# Altium PCB XTRXr5.PcbDoc (part 2 of 5) (continued)
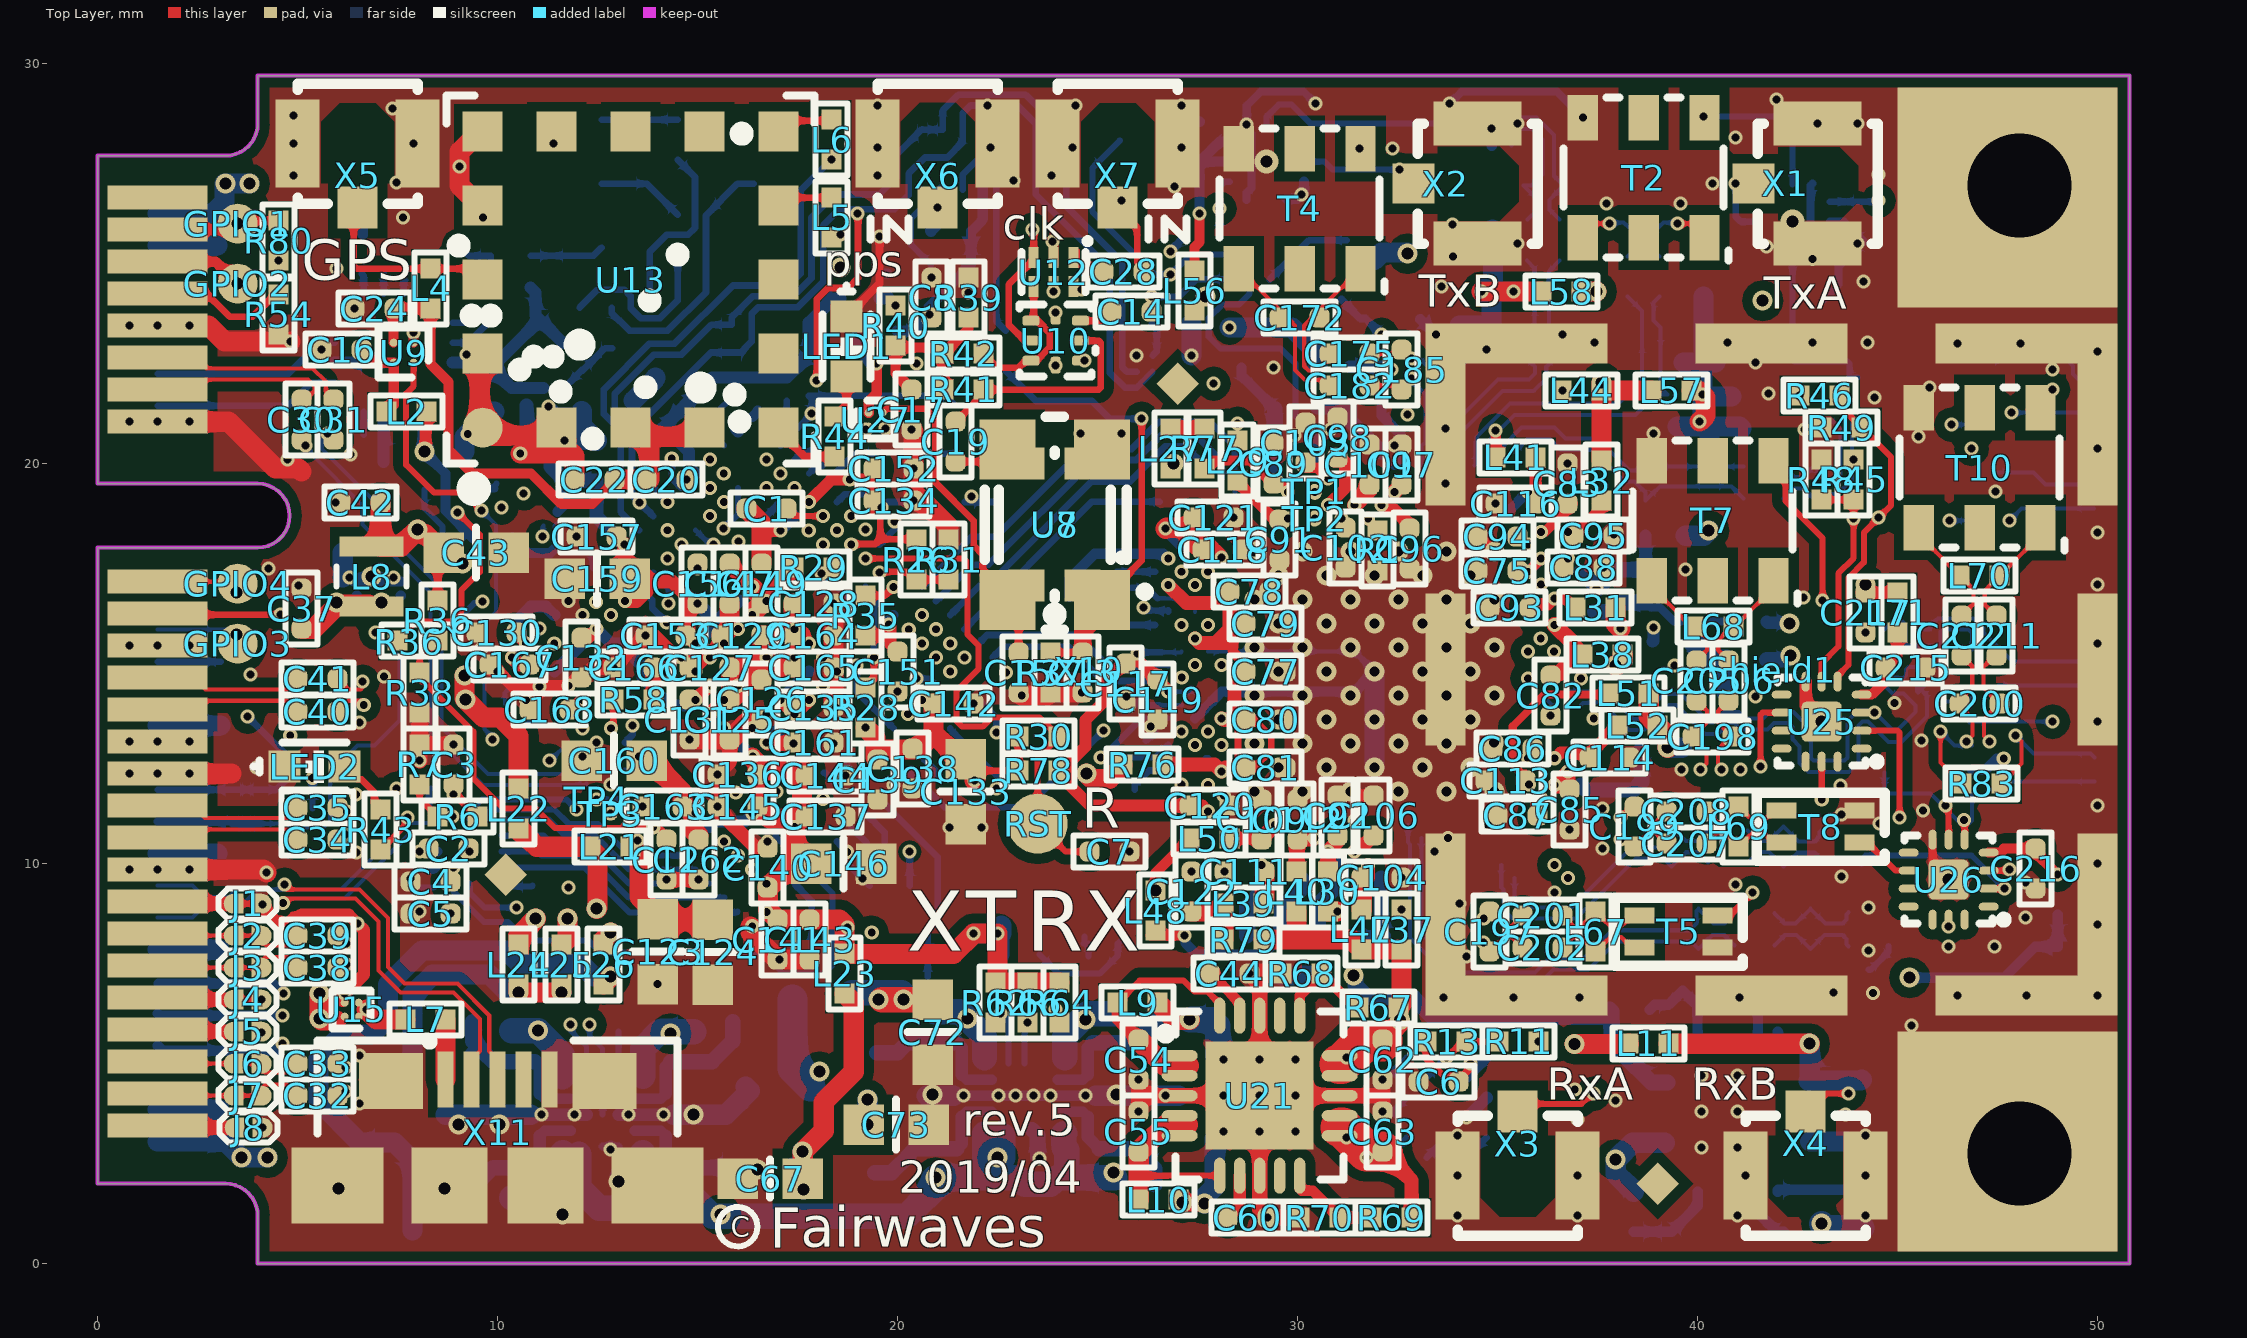
[diagram p0: Top Layer view]
## Nets (pads, with @x,y where several pads share a name; then routed paths per layer and width w, separated by ;. In a path a pad name is that pad's centre, name@x,y a point inside that pad or via, vN(x,y) a via of type N, cw(c..) or ccw(c..) an arc to the next point about the centre after c; other vN are vias at no path point)
1PPS_IN: R80.1 X6.1 | length 19.3
  Layer 3 w0.102: v3(4.525,25.075) 4.525,25.089 8.225,28.789 19.075,28.789 21,26.864 v3(21,26.4)
1PPSI_GPIO1(1N): GPIO1.1 R80.2 U1.M3 X10.3 | length 18.3
  Top Layer w0.17: v4(3.5,26) 3.575,26.075 R80.2@4.525,26.075
  Top Layer w0.25: X10.3@1.5,25.85 3.35,25.85 v4(3.5,26)
  Layer 3 w0.102: v1(10.65,19.254) 12.771,19.254 14.043,17.982 v1(14.596,17.982)
  Layer 6 w0.102: v4(3.5,26) 6.575,22.925 7.175,22.925 7.55,22.55 7.55,22.161 8.136,21.575 9.254,21.575 10.2,20.629 10.2,19.704 v1(10.65,19.254)
1PPSO_GPIO2(1P): GPIO2.1 U1.L3 X10.5 | length 17.5
  Top Layer w0.25: X10.5@1.5,25.05 2.95,25.05 v4(3.5,24.5)
  Layer 3 w0.102: v1(10.1,18.901) 10.125,18.925 10.786,18.925 10.852,18.991 12.625,18.991 13.94,17.676 14.195,17.676 v1(14.243,17.628)
  Layer 6 w0.102: v4(3.5,24.5) 3.959,24.959 4.116,24.959 6.425,22.65 7.05,22.65 7.275,22.425 7.275,22.025 7.975,21.325 9.135,21.325 9.945,20.515 9.945,19.533 10.1,19.377 v1(10.1,18.901) v1@10.1,18.782
+1.0V: C66.1 L13.2 L21.1 L22.1 U19.C4 | length 18.5
  Top Layer w0.508: L22.1@10.525,10.875 10.975,10.425 12.275,10.425 12.494,10.206 12.494,8.894 v4(12.475,8.875)
  Layer 3 w0.508: v4(12.475,8.875) 12.481,8.881 13.969,8.881 v4(18.05,4.8)
  Layer 6 w0.203: v8(13.025,4.125) 13.7,4.8 v4(18.05,4.8)
  Bottom Layer w0.75: L13.2@17.375,6.6 L13.2@17.375,6.05 L13.2@17.375,6.05 17.373,4.878 C66.1@17.826,4.425
+1.0V_MGTAVCC: C130.2 C131.1 C132.1 L22.2 U1.C1 U1.E1 U1.F3 U1.G9 U1.H9 | length 15.7
  Top Layer w0.3: C130.2@10.5,15.775 10.5,15.716 v1(10.707,15.509) ; C132.1@12.1,15.7 12.312,15.7 v1(12.475,15.863) ; C131.1@14.8,14.1 14.955,14.1 v1(15.303,14.448)
  Top Layer w0.5: v4(9.175,14.701) 9.175,14.125 v4(9.2,14.1) 9.651,13.649 10.074,13.649 10.525,13.197 L22.2@10.525,11.875
  Layer 4 w0.3: v4@9.225,14.1 9.225,14.75 10.058,15.583 10.633,15.583 v1(10.707,15.509) 11.141,15.075 11.687,15.075 v1(12.475,15.863)
  Bottom Layer w0.3: U1.C1@10.707,15.507 10.475,15.739 10.475,16.075 10.825,16.425 11.203,16.425 U1.E1@11.414,16.214 ; v1(12.475,15.863) 12.838,15.5 13.05,15.5 13.625,14.925 13.625,14.65 14.325,13.95 14.805,13.95 v1(14.95,14.095) v1(15.303,14.448)
+1.0V_VCCINT: C123.2 C124.2 C125.1 C126.1 C127.1 C128.1 C129.1 C164.1 C165.1 L21.2 U1.G10 U1.H10 U1.J10 U1.L10 U1.M10 U1.M11 U1.N10 U1.N11 | length 12.8
  Top Layer w0.3: C164.1@17.587,15.7 v1(17.778,15.509)
  Top Layer w0.35: v1(15.303,13.741) v1(15.657,14.095) 15.662,14.1 C125.1@15.8,14.1
  Top Layer w0.5: L21.2@13.55,10.275 13.55,9.163 C123.2@14,8.713 ; C123.2@14,8.613 14.012,8.601 C124.2@15.375,8.601 ; C125.1@15.8,14.1 C125.1@15.831,14.131 ; C128.1@17.4,16.5 C164.1@17.4,15.7 ; C164.1@17.587,15.7 C164.1@17.4,15.7 ; C125.1@15.831,14.131 16.3,14.6 C126.1@16.6,14.6 16.6,14.9 ; C125.1@15.831,14.131 15.831,14.869 C127.1@15.8,14.9 16.464,14.9 ; 16.464,14.9 16.6,14.9 ; 16.464,14.9 v1@16.6,15.036 ; 16.6,14.9 C165.1@17.4,14.9 v1@17.4,15.154 ; 16.6,14.9 v1@16.6,15.036 ; v1@16.6,15.036 16.932,15.368 ; v1@16.6,15.036 C129.1@16.6,15.7 ; C129.1@16.6,15.7 C164.1@17.4,15.7 ; C129.1@16.6,15.7 16.932,15.368 ; 16.932,15.368 17.146,15.154 v1@17.4,15.154 ; v1@17.4,15.154 C164.1@17.4,15.7
  other v1: 13.5,10.575 16.01,14.448 17.425,15.154 16.718,15.156 17.071,15.509 17.425,15.861
+1.2V: C68.1 L15.2 L24.1 L25.1 U19.E4 | length 13.1
  Top Layer w0.5: L24.1@10.525,6.975 v4(10.525,6.775) v4(11.6,6.775)
  Layer 6 w0.152: v2(7.424,4.425) 7.824,4.825 11.525,4.825 v8(12.225,4.125)
  Bottom Layer w0.5: v2(7.424,4.425) 7.875,4.876 L15.2@7.875,6.05 7.875,6.725 8.375,7.225 9.8,7.225 10.25,6.775 v4(10.525,6.775) v4(11.6,6.775)
+1.2V_MGTAVTT: C166.1 C167.1 C168.1 L24.2 R58.2 U1.B1 U1.C5 U1.E2 U1.G7 | length 16.7
  Top Layer w0.35: v1(10.354,15.156) 10.534,14.975 C167.1@10.8,14.975 ; C168.1@11.825,13.8 12.121,14.096 v1(12.121,14.095) ; R58.2@13.9,14.1 C166.1@13.9,14.9 14.101,14.9 v1(14.226,14.776)
  Top Layer w0.508: L24.2@10.525,7.975 10.525,8.198 v4(10.95,8.625)
  Layer 4 w0.35: v1(10.354,15.156) 10.453,15.057 10.453,14.478 10.255,14.28 10.255,13.64 10.637,13.258 ; v4(10.95,8.625) 10.95,9.125 10.637,9.438 10.637,13.258 ; v1(12.121,14.095) 11.284,13.258 10.637,13.258
  Layer 6 w0.35: v2(11.768,15.861) 12.4,15.228 12.4,14.376 12.121,14.097 v1(12.121,14.095) ; 12.45,14.426 12.447,14.428 12.447,15.087 12.713,15.353 13.087,15.353 13.664,14.776 v1(14.226,14.776)
+1.2V_VDLMS: L25.2 L28.1 L29.1 L30.1 L31.1 L45.2 R76.1 | length 56.5
  Top Layer w0.5: L25.2@11.6,7.975 11.75,8.125 v4(11.75,8.625) ; v4(24.725,12.25) 24.852,12.123 25.295,12.123 25.625,12.453 R76.1@25.625,12.475 ; L30.1@30.76,8.8 L30.1@30.994,8.8 ; L31.1@37.95,16.4 37.95,16 v1(38.075,15.875)
  Layer 4 w0.5: v4(11.75,8.625) 11.75,7.875 12.202,7.423 12.202,6.948 12.576,6.573 18.395,6.573 22.48,10.659 24.725,10.659 ; v1(28.3,23.4) 28.5,23.2 v1(28.5,21) 28.5,19.807 27.596,18.903 26.481,18.903 25.472,17.894 25.472,14.394 24.489,13.41 24.489,12.486 v4(24.725,12.25) 24.725,10.659 ; v1(38.075,15.875) 38.075,15.701 38.374,15.401 38.374,15.382 38.549,15.208 38.549,13.352 35.447,10.25 34.325,10.25 32.803,8.728 26.956,8.728 26.952,8.723 26.052,8.723 24.725,10.05 24.725,10.659
  Bottom Layer w0.5: v1(28.3,23.4) L28.1@28.6,23.4 29.861,23.4 30.5,22.761 L45.2@30.5,22.425
  other v1: 31,8.8
+1.2VDLMS: C77.2 C78.2 C79.2 C80.2 C81.2 R76.2 U2.AA29 U2.AE29 U2.L33 U2.R31 | length 20.6
  Top Layer w0.17: C81.2@28.51,12.59 28.51,13.41 C80.2@28.7,13.6 28.912,13.6 29.34,13.172 29.34,12.828 28.912,12.4 C81.2@28.7,12.4 C81.2@28.51,12.59
  Top Layer w0.254: C77.2@28.7,14.8 28.7,14.979 28.38,15.299 28.38,15.68 C79.2@28.7,16
  Top Layer w0.35: R76.2@26.625,12.475 27.923,12.475 v1(28.096,12.303) ; v1(26.764,16.965) 27.216,16.512 28.212,16.512 C78.2@28.3,16.6 ; v1(27.43,15.633) 27.549,15.513 27.95,15.513 ; v1(28.096,13.634) 28.13,13.6 C80.2@28.7,13.6 28.42,13.88 28.42,14.52 C77.2@28.7,14.8 ; v1@28.099,12.299 28.2,12.4 C81.2@28.7,12.4 ; C78.2@28.3,16.8 C78.2@28.3,16.6 ; 28.38,15.68 28.3,15.6 ; C79.2@28.7,16 28.3,16.4 ; 27.95,15.513 28.213,15.513 28.3,15.6 ; 27.95,15.513 28.3,15.863 ; 28.3,15.6 28.3,15.863 ; 28.3,15.863 28.3,16.4 ; 28.3,16.4 C78.2@28.3,16.6
  Layer 3 w0.17: v1(28.096,12.303) 28.51,12.717 28.51,13.22 v1(28.096,13.634)
  Layer 4 w0.17: v1(28.096,12.303) 28.51,12.717 28.51,13.22 v1(28.096,13.634)
  Layer 4 w0.35: v1(26.764,16.965) 27.278,16.45 27.95,16.45 28.25,16.15 28.25,15.787 27.976,15.513 27.549,15.513 v1(27.43,15.633)
+1.4V_VALMS: C64.2 L34.1 L46.2 L49.2 L51.2 L52.2 L53.2 L73.2 R71.2 U22.14 U22.15 | length 13.6
  Top Layer w0.508: L51.2@38.775,14.25 38.775,13.675 L52.2@39,13.45 39.25,13.2 v4(39.25,12.9)
  Bottom Layer w0.2: L73.2@31.1,24.1 31.25,23.95 31.25,23.94 31.566,23.623 31.702,23.623 v1(32.1,23.225)
  Bottom Layer w0.4: v4(31.4,7.2) 31.45,7.15 31.45,6.95 31.752,6.648 32.33,6.648 32.89,6.648 33.366,6.172 37.622,6.172 R71.2@37.8,6.35 37.85,6.3 37.85,5.525 C64.2@37.95,5.425 38.84,4.535 39.25,4.535
  Bottom Layer w0.508: v4(39.25,12.9) L53.2@39.6,12.9 ; L34.1@39.7,18.2 40.15,18.2 v4(40.275,18.325)
+1.5V: C73.2 L12.1 L20.2 U20.E2 | length 32.8
  Layer 4 w0.635: v4(19.249,4.099) v4(19.249,3.475) 27.75,3.475 28.575,2.65 30.15,2.65 30.545,3.045 30.545,3.47 31.075,4 31.725,4 33.025,2.7 36.473,2.7 37.223,3.45 38.35,3.45 40.005,1.795 42.305,1.795 v4(43.1,1)
  Layer 6 w0.203: v4(19.249,3.475) 22.45,3.475 v8(22.775,3.8)
  Bottom Layer w0.508: v4(19.249,3.475) v4(19.249,4.099)
  Bottom Layer w0.635: v4(43.1,1) 43.2,0.9 L12.1@44.1,0.9
+1.8/3.3V: C67.2 L14.2 L23.1 U19.C2 | length 12.3
  Top Layer w0.508: C67.2@17.625,2.125 v4(17.625,2.8) 18.15,3.325 18.15,4.044 18.9,4.794 18.9,6.525 L23.1@18.675,6.75
  Layer 6 w0.203: v8(13.025,3.325) 13.4,2.95 17.475,2.95 v4(17.625,2.8)
  Layer 6 w0.5: v4(17.625,2.8) 17.625,1.875 v4(17.65,1.85)
  Bottom Layer w0.5: L14.2@17.375,2.4 L14.2@17.625,2.15 ; v4(17.625,2.8) L14.2@17.625,2.15 ; v4(17.65,1.85) 17.65,2.125 L14.2@17.625,2.15
+1.8/3.3VCCIO: C5.1 C6.2 C21.2 C133.2 C134.1 C135.1 C136.1 C137.1 C138.1 C139.1 C140.1 C141.1 C142.1 C143.1 C144.1 C145.1 C146.1 C147.1 C148.1 C149.1 C150.1 C151.1 C152.1 L3.1 L23.2 R4.1 R12.2 R13.2 R14.2 R19.2 R26.1 R27.2 R28.1 R29.1 R30.1 R33.2 R35.1 R62.1 R64.1 R66.1 R75.1 R78.2 U1.B19 U1.C14 U1.C18 U1.F17 U1.G12 U1.G13 U1.K12 U1.K13 U1.L12 U1.L13 U1.M8 U1.M12 U1.M17 U1.N7 U1.N8 U1.R1 U1.R17 U1.U13 U1.V1 U1.V6 U1.V9 U3.B3 U4'.B4 U4.B4 U11.3 U28.A1 U28.B1 X9.4 | length 107.4
  Top Layer w0.17: v1(18.839,17.982) 18.848,17.991 19.441,17.991 19.562,18.112 ; C134.1@19.4,18.9 19.581,18.719 19.562,18.7 19.562,18.112 ; R26.1@20.475,18.1 20.463,18.112 19.562,18.112 ; C133.2@21.7,12.613 21.988,12.325 R78.2@23.025,12.325 R30.1@23.025,13.175 R30.1@23.025,13.225 ; R13.2@33.225,5.55 33.225,5.535 33.225,5.114 33.639,4.7 33.875,4.7 C6.2@34.025,4.55 34.025,4.599 34.29,4.864 34.29,4.965 v1(34.325,5)
  Top Layer w0.25: v1(16.718,8.792) C141.1@16.808,8.792
  Top Layer w0.254: R13.2@33.225,5.535 R13.2@33.25,5.51
  Top Layer w0.3: v1(16.375,11.25) C145.1@16.625,11.25 ; C145.1@16.5,11.425 C136.1@16.5,12.225 ; C145.1@16.575,11.3 C145.1@16.625,11.3 ; v1(17.778,19.043) 18.336,19.601 v1(18.801,19.601) 19.196,19.601 19.311,19.486 19.325,19.5 19.399,19.426 ; R35.1@19.2,15.7 19.825,15.7 ; v1(19.776,15.976) 19.825,15.926 19.825,15.7 ; C151.1@19.9,15.3 C151.1@20,15.3 19.825,15.475 19.825,15.7
  Top Layer w0.35: C147.1@15.8,17.5 15.8,17.462 v1@16.364,16.898 ; C149.1@16.6,16.5 16.6,16.6 R29.1@17.4,17.4 ; v1(17.071,14.095) 17.266,13.9 C135.1@17.4,13.9 17.583,13.9 v1(17.778,14.095) ; C134.1@19.4,18.9 C152.1@19.4,19.7
  Top Layer w0.5: v1@16.353,12.653 16.5,12.506 C136.1@16.5,12.225 16.603,12.328 17.7,12.328 C144.1@17.7,12.2 ; v1@16.364,16.898 16.6,16.662 C149.1@16.6,16.6 ; C149.1@16.402,16.302 C149.1@16.6,16.5 ; C145.1@16.625,11.3 16.8,11.125 17.425,11.125 ; C141.1@17,8.6 C143.1@17.8,8.6 18.55,8.6 18.675,8.475 L23.2@18.675,7.75 18.677,7.748 21.398,7.748 v1(21.9,8.25) v1(22.5,8.25) 22.5,7.025 R66.1@23.25,7.025 R64.1@24.05,7.025 ; C141.1@17,8.6 16.763,8.837 16.763,9.387 C140.1@16.75,9.4 17.35,10 C146.1@17.5,10 ; C144.1@17.7,12.175 17.604,12.079 17.604,11.271 C137.1@17.7,11.175 17.65,11.125 17.425,11.125 ; C146.1@17.837,10 C146.1@17.5,10 ; v1(19.2,13.4) 19.449,13.151 19.449,12.651 19.649,12.85 20.5,12.85 20.9,13.25 C142.1@20.9,14 ; 20.95,13.2 21.619,12.532 C133.2@21.719,12.432 ; v1(21.925,12.075) 21.95,12.1 C133.2@21.95,12.125 ; 17.425,11.125 v1(17.425,10.913) 17.425,10.075 C146.1@17.5,10
  Layer 4 w0.4: v1(18.839,17.982) 18.715,17.858 18.715,17.01 19.749,15.976 v1(19.776,15.976)
  Layer 4 w0.5: v1(21.9,8.25) v1(22.5,8.25) 23.175,7.575 27.775,7.575 28.025,7.825 33.271,7.825 34.096,7 ; v1(34.325,5) 34.253,5.072 34.253,6.844 34.096,7 ; v4(42.325,15.2) 42.325,12.008 40.289,9.972 39.022,9.972 36.4,7.35 35.213,7.35 34.863,7 34.096,7
  Layer 6 w0.25: v1(8.825,8.75) 9.325,9.25 v8(9.325,9.875)
  Layer 6 w0.254: v1(8.825,8.75) 9.825,7.75 16.4,7.75 16.875,8.225 16.875,8.634 v1(16.718,8.792)
  Layer 6 w0.3: v4(15.075,21.9) 15.075,22.38 15.8,23.105 v2(15.8,25.4) v2(16.4,25.4)
  Bottom Layer w0.17: v1(19.6,18.9) 19.743,19.043 R19.2@20.675,19.043
  Bottom Layer w0.25: v1(19.2,13.4) 19.2,13.375 19.275,13.3 19.278,13.3 U1.M17@19.546,13.032
  Bottom Layer w0.254: v1(19.776,15.976) 19.776,16.091 U1.U13@19.899,16.214 ; U4.B4@34.225,4.65 U4'.B4@34.725,5.15
  Bottom Layer w0.3: U11.3@8.875,22.525 9.17,22.525 9.323,22.373 9.323,22.352 9.353,22.322 C21.2@9.961,22.322 ; C21.2@9.925,22.3 C21.2@9.939,22.3 ; C21.2@10.022,22.322 C21.2@9.961,22.322 ; R27.2@10.825,24.4 10.95,24.275 10.95,23.7 R33.2@11.05,23.6 ; U28.B1@11.15,21.898 10.34,21.898 C21.2@9.939,22.3 ; v4(12.05,22.975) 12.012,23.013 11.637,23.013 R33.2@11.05,23.6 ; C148.1@14.1,20.875 14.657,21.432 C150.1@14.657,21.443 15.075,21.861 v4(15.075,21.9) 15.1,21.9 15.354,22.154 17.229,22.154 R4.1@17.775,22.7 17.775,23.525 18.375,24.125 L3.1@18.575,24.125 ; C148.1@14.217,20.866 14.764,20.318 ; 14.764,20.317 14.778,20.303 14.778,19.921 U1.R1@14.95,19.75 ; U1.C14@15.303,10.911 15.442,11.05 16.175,11.05 v1@16.364,11.239 ; v1(15.959,21.05) 15.959,20.861 U1.V1@16.01,20.81 ; U1.G12@16.01,13.032 U1.G13@16.368,12.675 ; U1.G13@16.364,12.679 U1.G13@16.368,12.675 ; v1@16.375,11.225 16.364,11.236 v1@16.364,11.239 ; v1(16.376,12.676) 16.376,12.683 U1.G13@16.368,12.675 ; v1(17.071,14.095) U1.L12@17.425,14.446 ; v1(17.778,14.095) U1.L12@17.425,14.446 ; U1.M12@17.778,14.8 U1.L12@17.425,14.446 ; C21.2@9.939,22.3 C21.2@9.961,22.322 ; C21.2@9.961,22.322 10.01,22.371 10.01,22.56 R33.2@11.05,23.6 ; v1@16.364,11.239 v1(16.375,11.25) 16.525,11.4 16.525,12.518 16.371,12.671 U1.G13@16.368,12.675
  Bottom Layer w0.381: R75.1@41.725,15.1 42.225,15.1 v4(42.325,15.2)
  Bottom Layer w0.5: v1(21.9,8.25) v1(22.5,8.25) v1@22.55,8.2 ; R14.2@22.55,7.725 v1@22.55,8.2 ; 22.6,8.45 22.6,8.25 v1@22.55,8.2
  other v1: 18.75,8.4 16.718,9.499 17.425,13.741 20.607,14.095 16.364,16.216 16.718,16.57 16.364,16.923
+1.8/3.3VDLMS: C117.1 C118.2 C119.2 C120.2 C121.2 R78.1 U2.AH30 U2.H32 U2.T32 U2.W31 U2.W33 | length 19.2
  Top Layer w0.3: v1(26,15.25) 26,15.2 C117.1@25.85,15.05 ; v1(26.7,18.375) 27.052,18.375 27.077,18.4 27.4,18.723 C121.2@27.4,18.65 27.4,18.4 28.097,17.703 v1(28.097,17.65) 28.097,17.628 v1@28.1,17.625 ; v1(26.764,14.3) 26.764,14.336 C119.2@26.5,14.6 26.05,15.05 C117.1@25.85,15.05 ; v1(27.763,11.304) 27.616,11.45 C120.2@27.3,11.45 24.816,11.45 24.218,12.048 24.218,12.452 24.699,12.933 24.699,13.595 25.198,14.095 25.198,14.548 25.7,15.05 C117.1@25.85,15.05
  Top Layer w0.508: v1(26.7,18.375) 26.725,18.4 27.077,18.4 27.4,18.4 ; 27.052,18.375 27.1,18.375 C118.2@27.625,17.85
  Layer 4 w0.508: v1@26.725,14.225 26.431,13.931 26.431,11.892 27.019,11.304 v1(27.763,11.304)
  Bottom Layer w0.102: 26.6,15.284 27.081,15.284 U2.T32@27.097,15.3 ; U2.W33@26.766,14.298 U2.W31@27.427,14.298
  Bottom Layer w0.15: v1(26.764,14.3) U2.W33@26.766,14.298 ; U2.W31@27.427,14.298 U2.W31@27.43,14.3
  Bottom Layer w0.17: v1(26,15.25) 26.034,15.284 26.6,15.284
  Bottom Layer w0.3: v1@26.759,18.301 U2.H32@27.097,17.964
+1.8V: C69.2 L16.2 L26.1 L27.1 U19.E2 | length 43.1
  Top Layer w0.5: L26.1@12.65,6.975 12.65,7 v4(12.825,7.175)
  Layer 4 w0.5: v4(12.825,7.175) 16.779,7.175 18.659,9.055 18.659,12.059 19.75,13.15 20.875,13.15 21.773,14.048 22.798,14.048 23.925,15.175 23.925,17.978 25.948,20.001 v4(26.901,20.001)
  Layer 6 w0.203: v6(7.424,3.025) 7.574,2.875 11.775,2.875 v8(12.225,3.325)
  Bottom Layer w0.5: L16.2@7.875,0.825 L16.2@7.875,1.4 7.875,2.574 v6(7.424,3.025) 6.552,3.025 5.525,4.052 5.525,5.148 6.105,5.728 6.849,5.728 7.253,6.131 7.253,6.975 8.104,7.827 10.223,7.827 10.55,7.5 12.075,7.5 12.4,7.175 v4(12.825,7.175)
+1.8V_VALMS: C62.2 L32.1 L36.1 L37.1 L40.2 L42.2 L43.2 L44.2 L47.2 L57.1 L58.1 R67.2 R79.2 U21.14 U21.15 | length 13.4
  Top Layer w0.381: 30.775,4.95 31.225,4.95 31.475,4.95
  Top Layer w0.5: R79.2@29.15,8.1 29.975,8.1 ; L40.2@29.974,8.8 29.974,8.101 29.975,8.1 ; C62.2@32.25,5.725 v4@32.55,6.025 ; R67.2@32.55,6.375 R67.2@32.525,6.4 32.6,6.475 L37.1@32.6,7.85 L47.2@31.6,7.85 31.35,8.1 29.975,8.1 ; L58.1@37.1,24.3 v4(37.475,24.3) ; L32.1@37.6,20.075 L44.2@37.6,21.825 ; v4(37.6,22.025) L44.2@37.6,21.825 ; L57.1@38.85,21.825 L44.2@37.6,21.825
  Top Layer w1: 31.05,4.992 31.092,4.992 31.648,5.548 32.125,5.548 C62.2@32.125,5.6
  Bottom Layer w0.305: L36.1@41.725,16.05 41.75,16.025 42.275,16.025 v4(42.3,16)
  Bottom Layer w0.5: L43.2@31.9,25.075 32.1,25.275 L42.2@32.75,25.275
  other v1: 31.225,5.15
  other v4: 32.558,6.097 32.75,25.25
+1.8V_VCCAUX: C160.1 C161.1 C162.1 C163.1 L26.2 U1.C9 U1.C13 U1.H13 U1.J13 | length 30.4
  Top Layer w0.35: v1(13.536,12.681) 13.536,12.679 C160.1@13.714,12.5 ; C160.1@13.889,12.325 C160.1@13.714,12.5 ; C160.1@13.9,12.5 C160.1@13.714,12.5 ; v1(16.718,13.034) 16.752,13 v1(17.4,13)
  Top Layer w0.5: C160.1@13.9,12.5 14.625,11.775 14.625,11.5 14.9,11.225 14.9,10.825 C162.1@15.025,10.7
  Top Layer w0.508: L26.2@12.65,7.975 12.65,8.1 v4(12.825,8.275)
  Layer 4 w0.381: v4(12.825,8.275) 13.132,7.968 16.558,7.968 17.186,8.596 17.186,10.215 16.619,10.782 ; 13.017,8.467 13.017,10.78 13.536,11.299 13.536,12.679 v1(13.536,12.681) ; v1@14.9,11.225 14.9,11.314 14.9,11.45 15.694,12.244 16.146,12.244 16.182,12.208 16.57,12.208 16.844,12.482 16.844,12.908 v1@16.752,13 ; v1(14.95,11.264) 15.699,11.264 16.181,10.782 16.619,10.782 ; v1(16.718,13.034) v1@16.752,13 ; 16.619,10.782 17.443,11.606 17.443,12.957 v1(17.4,13) v1@16.752,13
  Layer 4 w0.5: v4(12.825,8.275) v4@13.05,8.275 ; v1@13.536,12.679 14.9,11.314 v1(14.95,11.264)
  Layer 4 w0.8: v4@13.05,8.275 14.95,10.175 v1(14.95,11.264)
  Bottom Layer w0.35: U1.H13@16.718,13.032 U1.J13@17.071,13.386
+1.8V_VDLMS: L27.2 R77.1 | length 0.8
  Top Layer w0.381: L27.2@26.825,20.875 R77.1@27.675,20.875
+1.25V_VALMS: C65.2 L33.1 L38.1 L41.2 L48.2 L50.2 R73.2 U22.11 U22.12 | length 22.3
  Top Layer w0.254: v4(26.45,9.325) 26.45,9.775 L50.2@27.3,10.625 ; L41.2@34.95,20.15 v13(34.95,20.825)
  Top Layer w0.508: v4(37.947,14.959) 37.984,14.959 38.125,15.1 L38.1@38.125,15.225
  Layer 3 w0.254: v1(32.75,21.225) 32.805,21.28 34.495,21.28 v13(34.95,20.825)
  Layer 3 w0.508: v4(26.45,9.325) 27.073,9.325 28.13,8.268 31.243,8.268 33.708,5.804 34.273,5.804 34.95,5.127 34.95,4.275 36.325,2.9 37.225,2.9 37.525,2.6 v4(37.95,2.6)
  Bottom Layer w0.508: R73.2@38.4,1.8 37.95,2.25 v4(37.95,2.6) 38.375,3.025 39.176,3.025 39.177,3.027
+1.75V: C72.2 L11.1 L19.2 U20.E4 | length 26.8
  Top Layer w0.508: v4(36.925,5.492) 38.267,5.492 L11.1@38.275,5.5
  Top Layer w0.635: v4@19.6,6.6 v4(20.15,6.6) 20.526,6.6 20.701,6.775 C72.2@20.875,6.601
  Layer 4 w0.635: v4(19.525,6.6) v4(20.15,6.6) 21.32,5.43 28.255,5.43 28.7,5.875 31.555,5.875 32.109,5.321 32.46,5.321 33.506,4.275 35.771,4.275 36.913,5.418 36.913,5.481 v4(36.925,5.492)
  Layer 6 w0.203: v4(20.15,6.6) 20.325,6.6 21.5,5.425 21.95,5.425 v8(22.775,4.6)
  Bottom Layer w0.635: L19.2@18.85,6.775 L19.2@19.475,6.775 L19.2@20.106,6.775
+2.05V: C70.2 L9.1 L17.2 U20.C4 | length 7.9
  Top Layer w0.508: L9.1@26.5,6.525 26.925,6.1 v4(27.3,6.1)
  Layer 6 w0.203: v8(23.575,4.6) 23.754,4.6 24.004,4.85 v2(28.351,4.85)
  Bottom Layer w0.635: v4(27.3,6.1) 27.85,6.1 28,5.95 28,5.201 v2(28.351,4.85)
+3,3V: C27.2 C71.2 C217.1 C218.1 L2.1 L10.1 L18.2 L54.1 L55.2 L56.2 L71.2 L72.2 R34.2 U11.5 U20.C2 X12.1 | length 35.1
  Top Layer w0.254: C217.1@44.075,16.775 44.2,16.9 v4(44.2,16.975) 44.4,16.775 L71.2@45,16.775
  Top Layer w0.3: v4(8.175,20.3) 8.2,20.325 8.2,21.275 L2.1@8.225,21.3
  Top Layer w0.381: L10.1@27.15,1.5 v4(27.675,1.5)
  Layer 6 w0.203: v8(23.575,3.8) 23.825,3.55 v2(28.351,3.55)
  Layer 6 w0.254: v2(6.625,25.725) v2(6.625,26.35) 6.625,27.05 7.575,28 13.9,28 15.05,26.85 18.022,26.85 18.98,25.893 18.98,25.305 v4(18.575,24.9)
  Bottom Layer w0.203: R34.2@18.575,24.75 v4(18.575,24.9)
  Bottom Layer w0.254: v2(6.625,25.725) 6.625,26.145 X12.1@6.63,26.15 ; C27.2@8.175,20.275 8.696,19.754 8.696,18.829 L54.1@9.375,18.15 ; v4(45.3,7.15) 47.659,7.15 48.434,7.925 C218.1@49,7.925 L72.2@49,8.725
  Bottom Layer w0.3: U11.5@8.15,21.3 8.15,20.3 C27.2@8.175,20.275
  Bottom Layer w0.508: v4(27.675,1.5) 27.675,1.675 27.925,1.925 L18.2@27.925,1.975 27.925,3.124 v2(28.351,3.55)
  other v4: 27.125,1.525 41.625,24.075 27.7,24.175
+3,3VIN: C36.2 U16.A1 U16.B1 U17.A1 U17.B1 X10.2 X10.52 | length 40.9
  Layer 4 w0.5: v4(3.6,2.65) v4(4.25,2.65)
  Layer 4 w1: v4@3.25,27 v4(3.8,27) 4.85,25.95 4.85,24.5 7.103,22.247 7.103,17.4 ; v4@4.149,2.45 4.4,2.45 4.95,3 4.95,3.826 2.05,6.726 2.05,13.096 4.375,15.421 4.375,16.325 5.45,17.4 6.3,17.4 7.103,17.4 ; 7.125,17.4 7.103,17.4
  Bottom Layer w0.254: U16.A1@6.125,17.05 6.225,17.15 v1(6.3,17.15) ; v1(7.4,17.15) v1(6.3,17.15) ; U17.B1@7.575,17.056 7.225,17.056 6.394,17.056 v1(6.3,17.15)
  Bottom Layer w0.5: X10.52@1.5,3.05 3.2,3.05 v4(3.6,2.65) v4(4.25,2.65) ; X10.2@1.5,26.25 2.875,26.25 3.175,26.55 3.175,27 v4(3.2,27) v4(3.8,27)
  Bottom Layer w0.508: v1@6.125,17.156 C36.2@6.125,17.775
  other v4: 6.85,17.175
+3.3/5V: C37.1 L8.1 U15.A2 U16.A2 U17.A2 | length 16.7
  Top Layer w0.5: v4(5.55,6.75) v4(5.55,6.125) 5.602,6.073 5.975,6.073
  Top Layer w0.508: C37.1@5.1,15.875 5.4,15.875 6,16.475 L8.1@6.775,16.475
  Layer 4 w0.5: v4(5.55,6.125) v4(5.55,6.75) 3.122,9.178 3.122,12.294 5.425,14.596 5.425,15.975 v4(5.975,16.525) v4(7.096,16.525)
+3.3/5VIN: C2.2 C42.2 C43.1 C46.2 C47.2 C48.2 C49.2 C50.2 C51.2 C52.2 C53.2 C58.2 C59.2 L8.2 L74.1 R36.2 R63.1 U3.C1 U19.A1 U19.A5 U19.B1 U19.B5 U19.E1 U19.F1 U19.F5 U19.G1 U19.G5 U20.A1 U20.A5 U20.B1 U20.B5 U20.E1 U20.F1 U20.F5 U20.G1 U20.G5 | length 35
  Top Layer w0.203: R36.2@8.5,16.575 8.5,17.626 C43.1@8.649,17.775
  Top Layer w0.508: C42.2@7.071,19.025 7.071,17.925 7.575,17.925 v4(8,18.35) 8.113,18.237 8.187,18.237 C43.1@8.649,17.775
  Bottom Layer w0.25: v1@8,10.3 v1(8.05,10.3) U3.C1@8.5,10.3
  Bottom Layer w0.635: C49.2@10.35,1.65 11.046,1.65 11.625,2.229 ; C48.2@10.35,5.825 v4(11.012,5.825) 11.621,5.216 11.621,4.671 ; 11.625,2.779 11.625,2.3 12.544,1.381 13.446,1.381 13.715,1.65 ; C58.2@12.025,2.05 12.025,2.736 ; 13.628,2.775 13.628,2.437 13.715,2.35 13.715,1.65 ; 13.628,4.683 13.628,5.379 14.05,5.8 C46.2@14.9,5.8 ; C52.2@20.925,6.3 21.562,6.3 22.171,5.691 22.171,5.146 ; 22.175,3.254 22.175,2.15 ; C59.2@22.625,2.65 22.625,3.205 ; 24.179,3.254 24.15,3.254 24.15,2.99 24.169,2.99 24.169,2.898 24.225,2.842 24.225,2.15 ; 24.179,5.15 24.179,5.691 24.738,6.25 C50.2@25.425,6.25 ; C51.2@25.425,2.15 24.4,2.15 24.225,2.15 ; 13.715,1.65 C47.2@14.9,1.65 15.369,1.181 20.219,1.181 20.925,1.887 C53.2@20.925,2.15 22.175,2.15 ; 22.175,2.15 23.01,2.15 23.179,1.981 23.821,1.981 23.99,2.15 24.225,2.15
  other v4: 15.575,1.225 20.95,2.15 25.4,2.275 22.5,2.65 14.325,5.75 24.7,6.1 21.75,6.125 9.125,17.5
+3V_VACLK: C11.2 C63.2 L1.2 R61.1 R65.1 R69.2 U21.11 U21.12 U27.A1 | length 74.4
  Top Layer w0.254: U27.A1@19.275,21.275 19.275,21.56 19.475,21.76 v1(19.475,22.5)
  Top Layer w0.35: C63.2@32.125,2.8 32.85,2.075 R69.2@32.85,1.15
  Top Layer w0.381: 30.8,3.45 31.475,3.45
  Top Layer w1: 31.075,3.408 31.117,3.408 31.725,2.8 C63.2@32.125,2.8
  Layer 4 w0.508: v1(19.475,22.5) 14.943,27.032 9.446,27.032 8.293,25.879 8.293,23.782 9.225,22.85 9.225,21.8 9.783,21.242 9.783,20.309 8.75,19.277 8.75,18 8.275,17.525 8.275,16.404 7.796,15.925 7.796,12.941 8.15,12.587 8.15,11.25 7.518,10.618 7.518,8.532 7.85,8.2 7.85,3.65 9.325,2.175 11.825,2.175 12.625,1.375 13.8,1.375 14.256,1.831 16.044,1.831 16.981,0.894 27.926,0.894 28.713,1.682 30.757,1.682 v1(31.725,2.65) v1(31.225,3.15)
  Layer 6 w0.254: v2(16.85,23.475) v2(16.85,22.675) 19.3,22.675 v1(19.475,22.5)
  Bottom Layer w0.2: L1.2@18.975,23.325 18.975,22.825 19.3,22.5 v1(19.475,22.5)
+3VA: C20.1 C22.2 C24.2 L4.1 U9.B2 U13.14 U13.15 | length 13.8
  Top Layer w0.25: U9.B2@7.4,23.025 7.4,23.875 C24.2@7.425,23.875 ; C24.2@7.45,23.875 L4.1@8.325,23.875 8.325,22.488 8.775,22.038 8.775,20.342 9.364,19.753 10.835,19.753 11.591,18.997 12.372,18.997 C22.2@12.975,19.6
  Top Layer w0.5: C22.2@13.027,19.598 13.8,19.598 13.8,20.525 13.65,20.675 U13.14@15.075,20.675
+5VBUS: L7.2 R8.1 U15.A1 U15.B1 | length 7.1
  Top Layer w0.5: v1(6.725,6.35) 6.975,6.1 L7.2@7.7,6.1
  Layer 4 w0.15: v1(6.725,6.35) 7.2,6.825 7.2,8.1 7.025,8.275 7.025,10.95 7.475,11.4 v1(7.475,11.875)
ADC1I_N: R81.2 U2.U5 X8.3 | length 16.8
  Layer 6 w0.102: v2(36.088,14.967) 36.554,14.967 36.758,14.763 36.758,14.497 36.95,14.305 39.617,14.305 40.146,14.834 42.087,14.834 42.18,14.741 42.54,14.741 44.554,16.755 45.337,16.755 45.68,16.412 45.68,15.888 45.642,15.85 v2(45.675,15.85)
  Bottom Layer w0.102: v2(45.675,15.85) 45.798,15.85 45.798,15.918 46.01,16.13 46.89,16.13 47.139,15.881 47.139,15.786 47.875,15.05 X8.3@49.925,15.05
ADC1I_P: R81.1 U2.V4 X8.2 | length 16
  Layer 6 w0.102: v2(36.421,14.634) 36.428,14.626 36.428,14.361 36.814,13.975 39.754,13.975 40.282,14.503 41.95,14.503 42.043,14.411 42.677,14.411 44.691,16.425 45.2,16.425 45.35,16.275 45.35,16.025 45.312,15.987 45.312,15.462 45.225,15.375 44.744,15.375 44.675,15.444 v2@44.675,15.85
  Bottom Layer w0.102: R81.1@44.675,15.85 44.875,16.05 45.125,16.05 45.2,15.975 45.2,15.5 45.252,15.448 45.988,15.448 46.077,15.537 46.077,15.802 46.126,15.851 46.774,15.851 46.86,15.765 X8.2@46.86,15.35
  other v2: 44.675,15.95
ADC1Q_N: R82.2 U2.W3 X8.6 | length 16.6
  Bottom Layer w0.102: U2.W3@36.754,14.3 36.758,14.305 37.712,14.305 38.4,13.616 38.536,13.616 39.162,14.242 39.582,14.242 40.3,13.525 40.387,13.525 40.658,13.797 41.037,13.797 41.204,13.629 41.628,13.629 41.795,13.797 42.391,13.797 42.648,13.54 42.648,13.227 42.829,13.046 42.829,12.636 42.891,12.575 43.672,12.575 43.746,12.649 43.746,13.566 44.009,13.829 44.379,13.829 44.883,13.325 44.977,13.325 45.45,13.798 45.45,13.95 45.15,14.25 44.875,14.25 R82.2@44.675,14.45 44.871,14.646 45.15,14.646 45.207,14.703 45.207,14.857 45.267,14.917 46.008,14.917 46.125,14.8 46.125,14.125 46.2,14.05 46.76,14.05 X8.6@46.86,14.15
ADC1Q_P: R82.1 U2.Y2 X8.5 | length 18.2
  Layer 6 w0.102: v2(45.675,14.45) 45.748,14.375 47.452,14.375 v2(47.525,14.448)
  Bottom Layer w0.102: U2.Y2@37.087,13.968 37.134,14.015 37.26,14.015 37.27,14.026 37.596,14.026 38.285,13.337 38.652,13.337 39.278,13.963 39.467,13.963 40.184,13.246 40.503,13.246 40.774,13.517 40.921,13.517 41.089,13.35 41.743,13.35 41.91,13.517 42.275,13.517 42.368,13.424 42.368,13.112 42.55,12.93 42.55,12.52 42.775,12.296 43.788,12.296 44.025,12.533 44.025,13.45 44.125,13.55 44.263,13.55 44.767,13.046 45.093,13.046 45.729,13.682 45.729,14.203 R82.1@45.579,14.353 ; v2(45.675,14.45) R82.1@45.579,14.353 ; v2(47.525,14.448) v2(47.525,14.448) X8.5@49.925,14.45 ; R82.1@45.579,14.353 45.579,14.544 45.486,14.637 45.486,14.309 45.511,14.284 R82.1@45.579,14.353
ADC2I_N: R83.2 U2.V6 X8.11 | length 20
  Top Layer w0.102: R83.2@47.6,12 48.1,12.5 48.1,13.05 v1(47.95,13.2)
  Layer 3 w0.102: v1(35.755,14.634) 36.083,14.305 39.291,14.305 42.721,17.734 44.527,17.734 47.605,14.656 47.605,13.545 v1(47.95,13.2)
  Bottom Layer w0.102: v1(47.95,13.2) 48.4,12.75 49.825,12.75 X8.11@49.925,12.65
ADC2I_P: R83.1 U2.AA1 X8.10 | length 17.8
  Top Layer w0.102: v1(46.075,13.3) 46.075,12.525 R83.1@46.6,12
  Layer 3 w0.102: v1(37.402,13.626) 37.196,13.831 37.196,13.915 37.256,13.975 39.428,13.975 42.858,17.404 44.39,17.404 47.275,14.52 47.275,13.625 47.225,13.575 46.35,13.575 v1(46.075,13.3)
  Bottom Layer w0.102: v1(46.075,13.3) 46.425,12.95 X8.10@46.86,12.95